# Altium PCB MotherBoard.PcbDoc (part 10 of 10)
Units mm, origin at the board's own origin, x right, y up, seen from the top; angles counter-clockwise.
Board outline 200 x 200 mm, 8 copper layers (Top Layer, Ground, Signal Layer 1, Power, Power 2, Signal Layer 2, Ground 2, Bottom Layer), stack 1.494 mm thick; 819 components, 704 nets, 3400 pads, 2339 vias.
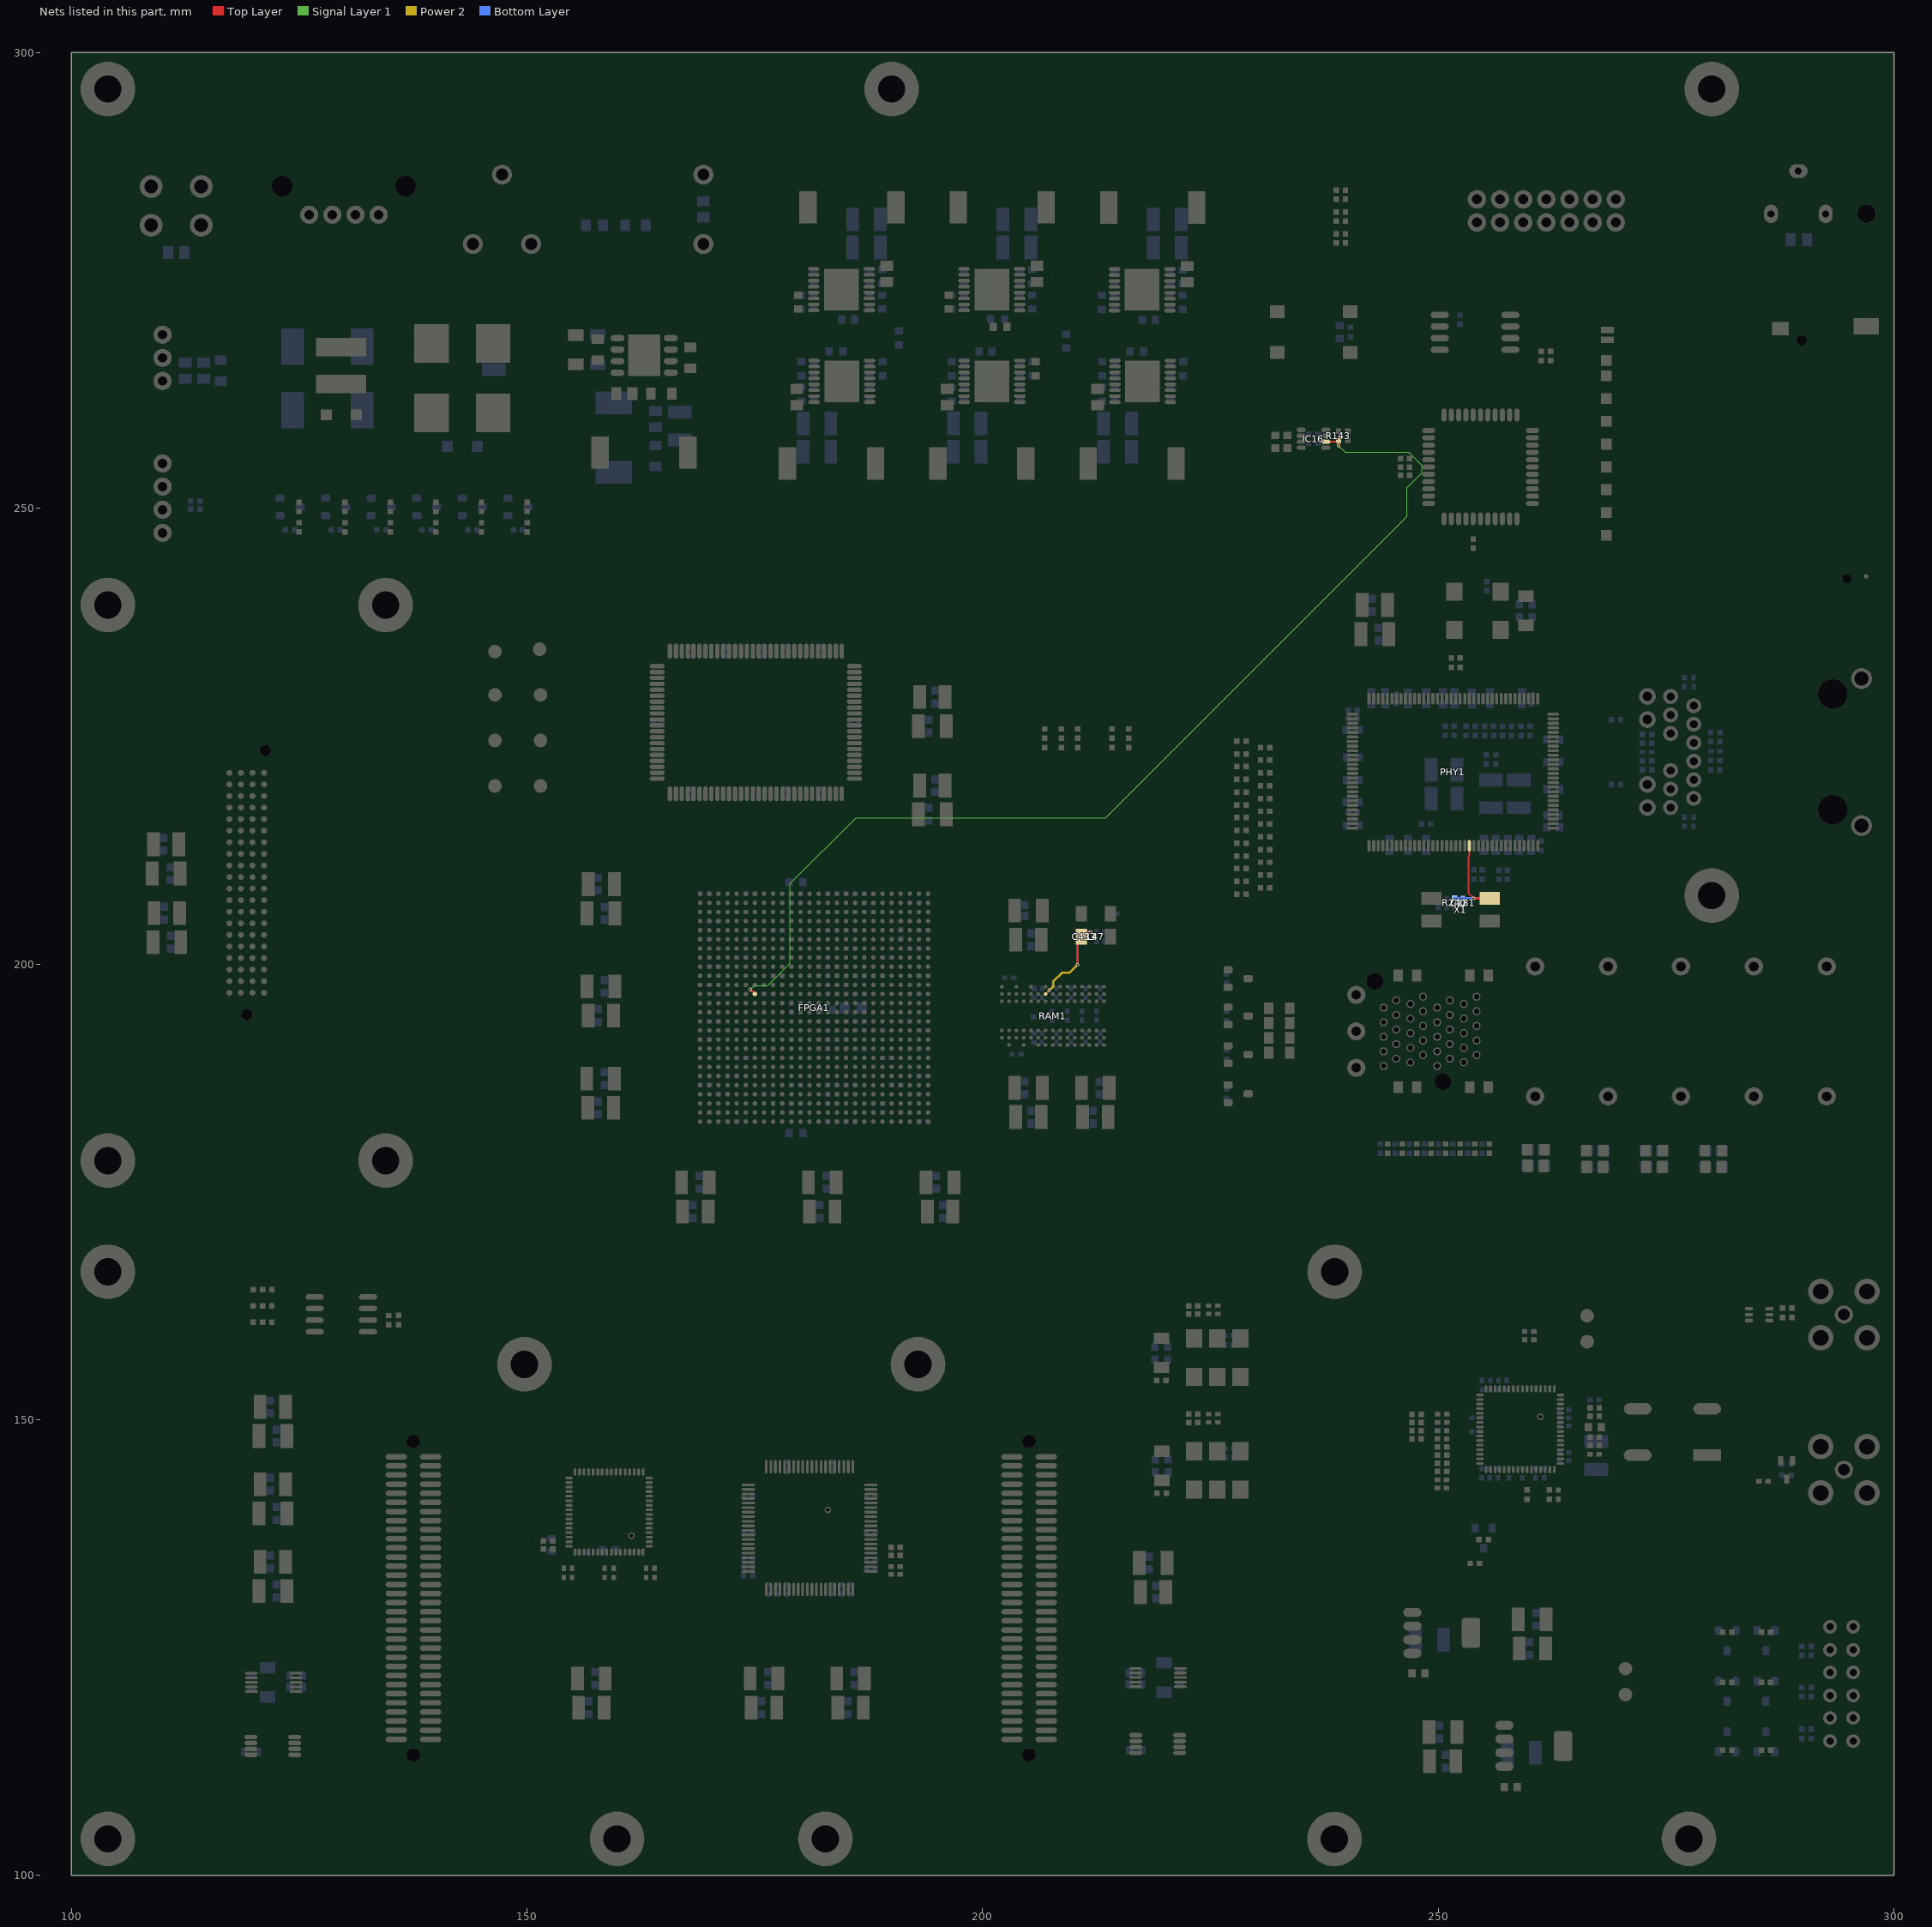
[diagram p16: the nets of this part, all layers, seen from the top]

## Via types
v1: diameter 0.4, hole 0.2, Top Layer to Bottom Layer, tented both sides, 1921 vias
v2: diameter 0.6, hole 0.3, Top Layer to Bottom Layer, tented both sides, 229 vias
v3: diameter 0.7, hole 0.4, Top Layer to Bottom Layer, 128 vias
v4: diameter 0.5, hole 0.2, Top Layer to Bottom Layer, tented both sides, 60 vias
v5: diameter 0.7, hole 0.4, Top Layer to Bottom Layer, tented both sides, 1 vias

## Nets (pads, with @x,y where several pads share a name; then routed paths per layer and width w, separated by ;. In a path a pad name is that pad's centre, name@x,y a point inside that pad or via, vN(x,y) a via of type N, cw(c..) or ccw(c..) an arc to the next point about the centre after c; other vN are vias at no path point) (continued)
VREF0V9: C433.2 L47.1 RAM1.J2 | length 10.3
  Top Layer w0.18: RAM1.J2@206.9,196.7 v1(207.3,197.1)
  Top Layer w0.25: v1(210.4,199.9) 210.4,202.574 L47.1@210.814,202.988 211.314,203.488 v1(211.822,203.488)
  Power 2 w0.25: v1(207.3,197.1) 207.725,197.525 207.725,198.05 208.7,199.025 209.525,199.025 v1(210.4,199.9)
  Bottom Layer w0.35: C433.2@211.161,203.488 v1(211.822,203.488)
WDI: FPGA1.R20 IC16.6 R143.1 | length 117.7
  Top Layer w0.18: IC16.6@237.65,257.3 238.901,257.3 R143.1@239.05,257.449 R143.1@239.05,257.323
  Top Layer w0.25: v1(174.5,197.2) FPGA1.R20@175,196.7 ; v1(239.05,256.882) R143.1@239.05,257.323
  Signal Layer 1 w0.1: v1(174.5,197.2) 174.925,197.625 176.42,197.625 178.85,200.055 178.85,208.8 186.075,216.025 213.475,216.025 246.55,249.1 246.55,252.225 248.2,253.875 248.2,254.675 246.725,256.15 239.782,256.15 v1(239.05,256.882)
XTAL: C181.1 PHY1.87 R240.2 X1.1 | length 9.9
  Top Layer w0.18: PHY1.87@253.4,212.971 253.4,211.85 253.3,211.75 253.3,207.775 v1(253.875,207.2)
  Top Layer w0.25: v1(253.875,207.2) X1.1@255.625,207.2
  Bottom Layer w0.25: R240.2@251.808,207.2 C181.1@252.7,207.2 v1(253.875,207.2)
pads on no net: CPLD1.27 CPLD1.28 CXO3.2 CXO4.2 DC_PWR1.0 FAN1.3 FPGA1.A9 FPGA1.AA2 FPGA1.AA7 FPGA1.AA8 FPGA1.AC8 FPGA1.AC18 FPGA1.AD8 FPGA1.AE7 FPGA1.AE9 FPGA1.AE26 FPGA1.AF7 FPGA1.AF9 FPGA1.B9 FPGA1.C8 FPGA1.C10 FPGA1.D8 FPGA1.D10 FPGA1.E13 FPGA1.F13 FPGA1.F19 FPGA1.F20 FPGA1.G19 FPGA1.J14 FPGA1.J15 FPGA1.J16 FPGA1.K6 FPGA1.K15 FPGA1.K16 FPGA1.K17 FPGA1.K25 FPGA1.K26 FPGA1.L17 FPGA1.L18 FPGA1.M4 FPGA1.M14 FPGA1.M17 FPGA1.M21 FPGA1.M22 FPGA1.M25 FPGA1.M26 FPGA1.N2 FPGA1.N26 FPGA1.P23 FPGA1.P24 FPGA1.R22 FPGA1.R23 FPGA1.T8 FPGA1.T22 FPGA1.T23 FPGA1.T24 FPGA1.T25 FPGA1.V3 FPGA1.V8 FPGA1.V9 FPGA1.W8 FPGA1.W14 FPGA1.W15 FPGA1.W16 FPGA1.Y15 FPGA1.Y16 IC3.2 IC3.3 IC6.2 IC17.7 IC17.9 IC17.15 IC17.18 IC17.19 IC17.20 IC17.24 IC17.25 IC17.26 IC17.33 IC17.34 IC17.35 IC17.36 IC19.2 PHY1.2 PHY1.23 PHY1.24 PHY1.27 PHY1.28 PHY1.31 PHY1.84 RAM1.A2 RAM1.E2 RAM1.R3 RAM1.R7 SRAM1.1 SRAM1.2 SRAM1.3 SRAM1.6 SRAM1.7 SRAM1.10 SRAM1.14 SRAM1.16 SRAM1.25 SRAM1.28 SRAM1.29 SRAM1.30 SRAM1.38 SRAM1.39 SRAM1.42 SRAM1.43 SRAM1.51 SRAM1.52 SRAM1.53 SRAM1.56 SRAM1.57 SRAM1.66 SRAM1.75 SRAM1.78 SRAM1.79 SRAM1.84 SRAM1.95 SRAM1.96 X1.2 X1.4 XC2.0 XC3.0@293.259,216.9 XC3.0@293.259,229.6 XC4.0@137.528,113.22 XC4.0@137.528,147.612 XC4.0@205.092,113.22 XC4.0@205.092,147.612 XC4.24 XC4.26 XC4.28 XC4.39 XC4.40 XC4.55 XC4.58 XC4.87 XC4.89 XC4.91 XC4.103 XC4.104 XC4.120 XC4.121 XC5.12 XC5.14 XC6.0@289.834,268.442 XC6.0@294.838,242.255 XC6.8 XC6.9 XC8.0@119.24,194.405 XC8.0@121.25,223.395 XC9.0@243.02,198.1 XC9.0@246.59,186.475 XC9.0@246.59,198.725 XC9.0@250.52,187.1 XC9.0@254.45,186.475 XC9.0@254.45,198.725

## Polygon pours and split planes (outlines as drawn)
GND on Top Layer "GND_TOP" (solid, remove dead copper, pour order 236): 299.35,299.325 299.35,100.725 100.725,100.725 100.725,299.325
NetIC8_8 on Top Layer "1V0" (solid, pour order 234): 221.423,275.989 213.448,275.989 212.873,276.564 212.873,281.214 212.873,284.764 214.773,284.764 214.773,281.214 215.498,280.489 215.498,278.589 216.273,277.814 220.948,277.814 221.423,277.339
NetIC7_8 on Top Layer "1V0" (solid, pour order 233): 204.923,276.014 196.948,276.014 196.373,276.589 196.373,281.239 196.373,284.789 198.273,284.789 198.273,281.239 198.998,280.514 198.998,278.614 199.773,277.839 204.448,277.839 204.923,277.364
NetIC1_8 on Top Layer "1V0" (solid, pour order 232): 188.423,276.014 180.448,276.014 179.873,276.589 179.873,281.239 179.873,284.789 181.773,284.789 181.773,281.239 182.498,280.514 182.498,278.614 183.273,277.839 187.948,277.839 188.423,277.364
NetIC5_8 on Top Layer "1V0" (solid, pour order 231): 213.625,261.9 221.6,261.9 222.175,261.325 222.175,256.675 222.175,253.125 220.275,253.125 220.275,256.675 219.55,257.4 219.55,259.3 218.775,260.075 214.1,260.075 213.625,260.55
NetIC4_8 on Top Layer "1V0" (solid, pour order 230): 197.125,261.9 205.1,261.9 205.675,261.325 205.675,256.675 205.675,253.125 203.775,253.125 203.775,256.675 203.05,257.4 203.05,259.3 202.275,260.075 197.6,260.075 197.125,260.55
5V on Top Layer "5V0" (solid, pour order 229): 223.148,274.264 221.748,274.264 221.623,274.264 221.235,274.651 219.498,274.651 219.498,275.907 221.423,275.914 221.423,275.664 221.748,275.339 223.148,275.339
5V on Top Layer "5V0" (solid, pour order 228): 206.648,274.289 205.248,274.289 205.123,274.289 204.735,274.677 202.998,274.677 202.998,275.932 204.923,275.939 204.923,275.689 205.248,275.364 206.648,275.364
5V on Top Layer "5V0" (solid, pour order 227): 190.148,274.289 188.748,274.289 188.623,274.289 188.235,274.677 186.498,274.677 186.498,275.932 188.423,275.939 188.423,275.689 188.748,275.364 190.148,275.364
5V on Top Layer "5V0" (solid, pour order 226): 211.9,263.625 213.3,263.625 213.425,263.625 213.813,263.238 215.55,263.238 215.55,261.982 213.625,261.975 213.625,262.225 213.3,262.55 211.9,262.55
5V on Top Layer "5V0" (solid, pour order 225): 195.4,263.625 196.8,263.625 196.925,263.625 197.312,263.238 199.05,263.238 199.05,261.982 197.125,261.975 197.125,262.225 196.8,262.55 195.4,262.55
5V on Top Layer "5V0" (solid, pour order 224): 178.9,263.625 180.3,263.625 180.425,263.625 180.812,263.238 182.55,263.238 182.55,261.982 180.625,261.975 180.625,262.225 180.3,262.55 178.9,262.55
NetIC2_8 on Top Layer "1V0" (solid, pour order 223): 180.625,261.9 188.6,261.9 189.175,261.325 189.175,256.675 189.175,253.125 187.275,253.125 187.275,256.675 186.55,257.4 186.55,259.3 185.775,260.075 181.1,260.075 180.625,260.55
GND on Top Layer "GND" (solid, remove dead copper, pour order 235): 227.5,289.141 227.5,245.5 106,245.5 106,289.141
5V_GPIO on Power "5V_GPIO" (solid, remove dead copper, pour order 265): 111.175,205.65 113.7,205.65 117.325,202.025 119.125,202.025 119.125,195.525 111.175,195.525
3V3_GPIO on Power "3V3_GPIO" (solid, remove dead copper, pour order 264): 111.175,211.525 114.175,211.525 116.7,209 117.15,208.55 119.125,208.55 119.125,202.15 117.35,202.15 113.725,205.775 111.175,205.775
3V3 on Power "3V3" (solid, pour order 280): 158.8,203.875 158.8,238.35 204.375,238.35 204.375,268.5 211.35,268.5 211.35,295.95 104.025,295.95 104.025,203.875
1V0_FPGA on Power "1V0" (solid, remove dead copper, pour order 261): 181.575,201.575 183.775,201.575 183.775,200.525 185.9,200.525 185.9,189.55 182.25,189.55 182.25,193.575 181.125,193.575 181.125,194.65 180.575,195.2 174.253,195.2 173.628,194.575 159.075,194.575 159.075,199.85 162.6,199.85 162.6,196.75 163.575,195.775 173.075,195.775 174.05,196.75 175.997,196.75 176.397,197.15 180.7,197.15 181.575,198.025
DVDD_TX on Power "DVDD_FPGA" (solid, remove dead copper, pour order 272): 200.75,188.5 196.3,188.5 194.312,190.487 189.237,190.487 187.2,192.525 187.2,187.825 186.65,187.825 186.65,186.35 190.3,186.35 190.3,179.275 191.75,177.825 194.925,177.825 194.925,174.15 178.65,174.15 178.65,159.575 169.775,150.7 169.775,139.825 167.75,137.8 167.75,119.969 180.35,119.969 180.35,123.525 175.25,123.525 175.25,131.725 224.075,131.725 224.075,174.175 200.75,174.175
DVDD_RAM on Power "DVDD_RAM" (solid, remove dead copper, pour order 271): 170.2,205.7 175.375,200.525 178.975,200.525 178.975,205.525 178.45,205.525 178.45,208.825 188.225,208.825 188.225,238.1 159,238.1 159,203.887 162.587,203.887 164.4,205.7
MGTAVTT_G11 on Power "MGTAVTT" (solid, remove dead copper, pour order 269): 178.65,174.3 189.275,174.3 189.275,181.675 189.275,185.025 187.225,185.025 187.225,184.175 181.425,184.175 181.425,184.925 178.65,184.925
1V8_FPGA on Power "1V8_DDR" (solid, remove dead copper, pour order 268): 187.225,198.65 193,198.65 195.475,201.125 209.425,201.125 209.425,203.05 216.325,203.05 216.325,184.8 211.55,184.8 211.55,188.6 196.4,188.6 194.35,190.65 189.275,190.65 187.225,192.7
1V8_AUX on Power "1V8_AUX" (solid, remove dead copper, pour order 267): 186.05,200.525 187.075,200.525 187.075,187.95 181.425,187.95 181.425,185.046 178.521,185.046 178.521,181.65 178.521,174.3 168.15,174.3 168.15,177.725 176.075,177.725 177.625,179.275 177.625,186.1 180.65,186.1 180.65,189.425 186.05,189.425
2V5_ETH on Power "2V5_FPGA" (solid, remove dead copper, pour order 266): 190.45,209.7 190.45,205.475 190.175,205.2 187.2,205.2 187.2,198.75 192.95,198.75 195.425,201.225 209.3,201.225 209.3,203.225 257.175,203.225 265.925,203.225 265.925,213.7 257.175,213.7 257.175,215.6 250,215.6 250,223.9 259.95,223.9 259.95,226.825 266.05,226.825 266.05,213.825 282.525,213.825 282.525,233 233.9,233 233.9,227.825 226.775,220.7 204.5,220.7 201.875,218.075 201.875,216.675 198.9,213.7 194.45,213.7
MGTAVCC_G10 on Power "MGTAVCC" (solid, remove dead copper, pour order 263): 181.575,206.1 187.075,206.1 187.075,205.9 189.5,205.9 189.5,216.65 190.825,217.975 201.7,217.975 201.7,216.7 198.85,213.85 194.4,213.85 190.35,209.8 190.35,205.55 190.1,205.3 187.075,205.3 187.075,202.875 181.575,202.875
MGTAVTT_G10 on Power "MGTAVTT" (solid, remove dead copper, pour order 262): 178.575,208.725 188.375,208.725 188.375,238.1 204.375,238.1 204.375,220.825 201.7,218.15 190.85,218.15 189.4,216.7 189.4,206 187.25,206 187.25,206.225 181.425,206.225 181.425,205.625 178.575,205.625
MGTAVCC_G11 on Power "MGTAVCC" (solid, remove dead copper, pour order 270): 181.55,184.3 187.075,184.3 187.075,185.125 189.375,185.125 189.375,174.3 194.8,174.3 194.8,177.7 191.675,177.7 190.2,179.175 190.2,186.225 186.55,186.225 186.55,187.825 181.55,187.825
AVDD_TX on Power "AVDD_TX" (solid, remove dead copper, pour order 273): 175.405,131.525 224.075,131.525 224.075,112.35 211.75,112.35 211.75,119.975 180.475,119.975 180.475,123.65 180.45,123.675 175.405,123.65
DVDD_FPGA on Power "DVDD_FPGA" (solid, remove dead copper, pour order 274): 200.925,174.3 200.925,188.5 211.375,188.492 211.375,184.65 211.415,184.69 216.525,184.69 216.525,203.05 266.05,203.05 266.05,233.125 233.75,233.125 233.75,227.925 226.7,220.875 204.55,220.875 204.55,268.3 211.575,268.3 211.575,295.95 294.5,295.95 294.5,157.65 281.575,157.65 281.575,174.3 243.175,174.3 243.175,103.95 104.025,103.95 104.025,203.705 162.675,203.725 164.5,205.55 170.15,205.55 175.3,200.4 179.1,200.4 179.1,205.55 181.45,205.55 181.45,202.775 187.125,202.775 187.125,200.6 183.85,200.6 183.85,201.65 181.449,201.65 181.441,195.391 181,194.95 181,193.475 182.175,193.475 182.175,189.55 180.5,189.55 180.5,186.2 177.5,186.2 177.5,179.32 176.022,177.842 168.15,177.842 168.15,185.54 172.66,185.54 176.795,189.675 178,189.675 178,190.518 180.95,190.518 180.95,192.175 177.225,192.175 177.225,193.1 176.775,193.55 175.825,193.55 175.375,193.1 175.375,191.925 173.125,189.675 158.975,189.675 158.975,182.144 147.7,182.144 147.7,119.825 224.3,119.825 224.3,174.3
AVDD_ADC on Power "AVDD_ADC" (solid, remove dead copper, pour order 275): 147.925,137.775 167.625,137.775 167.625,119.975 147.925,119.975
1V8_ETH_A on Power "1V8_A" (solid, remove dead copper, pour order 276): 265.925,226.725 265.925,213.825 260.925,213.825 260.925,219.75 250.125,219.75 250.125,223.8 260.05,223.8 260.05,226.725
DVDD_ADC on Power "DVDD_ADC" (solid, remove dead copper, pour order 277): 159.1,182 159.1,189.549 173.153,189.553 175.5,191.9 175.5,193.075 175.875,193.45 176.75,193.45 177.103,193.097 177.125,192.075 180.85,192.075 180.85,190.575 177.9,190.575 177.9,189.75 176.775,189.75 172.65,185.625 168,185.625 168,174.3 168,174.15 178.525,174.15 178.525,159.6 169.625,150.7 169.625,139.884 167.641,137.9 147.925,137.9 147.925,182
2V5_ETH_A on Power "2V5_ETH_A" (solid, remove dead copper, pour order 278): 250.125,219.6 260.825,219.6 260.825,213.825 257.3,213.825 257.3,215.725 250.125,215.725
DVDD_CLK on Power "DVDD_CLK" (solid, remove dead copper, pour order 279): 238.6,174.175 281.3,174.175 281.3,157.475 281.325,157.45 294.5,157.45 294.5,103.95 238.6,103.95
5V on Signal Layer 2 "5V" (solid, remove dead copper, pour order 259): 227.425,289.075 227.425,245.575 106.075,245.575 106.075,289.075
5V on Signal Layer 2 "5V" (solid, remove dead copper, pour order 260): 294.475,295.95 294.475,141.96 297.04,141.96 297.04,103.95 104.025,103.95 104.025,289.249 105.875,289.249 105.875,245.375 227.625,245.375 227.625,289.25 104.015,289.25 104.015,295.985
GND on Bottom Layer "GND" (solid, remove dead copper, pour order 287): 227.499,289.146 227.499,245.505 106,245.505 106,289.146
GND on Bottom Layer "GND_BOTTOM" (solid, remove dead copper, pour order 289): 299.15,299.155 299.15,100.555 100.525,100.555 100.525,299.155
GND_XADC on Ground "GND_XADC" (solid, remove dead copper, pour order 284): 183,192.7 183,196.7 185,196.7 185,192.7
GND on Ground "GND" (solid, remove dead copper, pour order 285): 299.35,299.325 299.35,100.725 100.725,100.725 100.725,299.325
AGND_ADC on Ground "AGND_ADC" (solid, remove dead copper, pour order 281): 142.499,137.875 151.65,137.875 153.675,135.85 167.575,135.85 167.575,119.95 152.925,119.95 152.925,111.425 139.325,111.425 139.325,126.8 142.499,126.8
AGND_TX on Ground "AGND_TX" (solid, remove dead copper, pour order 282): 167.737,137.875 172.725,137.875 176.85,133.75 185.275,133.75 188.225,130.8 192.075,126.95 205.35,126.95 206.925,126.95 210.275,123.6 224.875,123.6 224.875,111.675 224.825,111.625 187.325,111.625 187.325,119.15 186.35,120.125 179.55,120.125 179.55,123.206 167.737,123.206
AGND_RX on Ground "AGND_RX" (solid, remove dead copper, pour order 283): 116.275,132.8 126.175,132.8 132.175,126.8 139.175,126.8 139.175,111.4 116.35,111.4 116.275,111.375
GND on Ground 2 "GND" (solid, remove dead copper, pour order 286): 299.35,299.3 299.35,100.725 100.725,100.725 100.725,299.3
3V3 on Power 2 "3V3" (solid, remove dead copper, pour order 256): 294.474,295.927 294.474,103.927 104.024,103.927 104.024,295.927
SFP2_VCCTX on Power 2 "SFP_VCC" (solid, remove dead copper, pour order 251): 240.995,196.6 244.65,196.6 244.65,187.075 246.575,185.15 260.275,185.15 264.025,181.4 264.025,178.425 257.65,178.425 240.968,178.425
SFP2_VCCRX on Power 2 "SFP_VCC" (solid, remove dead copper, pour order 252): 244.8,196.6 249.05,196.6 249.05,189.975 250.275,188.75 262.95,188.75 270.3,181.4 270.3,178.425 264.125,178.425 264.125,181.45 260.325,185.25 246.65,185.25 244.8,187.1
SFP1_VCCRX on Power 2 "SFP_VCC" (solid, remove dead copper, pour order 253): 249.2,196.6 253.45,196.6 253.45,192.15 254,191.6 260.025,191.6 266.775,191.6 276.975,181.4 276.975,178.425 270.475,178.425 270.475,181.425 263.05,188.85 250.425,188.85 249.2,190.075 249.2,190.15
SFP1_VCCTX on Power 2 "SFP_VCC" (solid, remove dead copper, pour order 254): 253.55,196.6 283.225,196.6 283.225,178.425 277.125,178.425 277.125,181.425 266.775,191.762 266.738,191.725 254.108,191.725 253.55,192.283
2V5 on Power 2 "2V5" (solid, remove dead copper, pour order 248): 187.212,195.35 211.7,195.35 211.7,248.4 202.2,248.4 202.2,268.1 187.212,268.1 187.212,232.925 200.087,232.925 200.087,223.55 187.212,223.55
1V8_ETH on Power 2 "1V8_ETH" (solid, remove dead copper, pour order 250): 237.597,238.225 258.45,238.225 258.45,209.825 237.644,209.825
1V2 on Power 2 "1V2" (solid, remove dead copper, pour order 249): 176.225,170.725 176.225,180.818 174.2,182.843 174.2,214.975 148.65,214.975 148.65,280.475 197.825,280.475 197.825,286.025 211.7,286.025 211.7,268.275 199.925,268.275 187.05,268.275 187.05,232.725 199.925,232.725 199.925,223.7 187.05,223.7 187.05,170.725
SFP+_CLK_VCC on Power 2 "SFPP_CLK" (solid, remove dead copper, pour order 246): 213.623,158.875 229.975,158.875 229.975,121.05 232.825,118.2 250.3,118.2 250.3,110.65 224.15,110.65 224.15,136 223.35,136.8 214.225,136.8 213.648,137.377
5V_TX on Power 2 "5V_TX" (solid, remove dead copper, pour order 245): 197.225,147.625 213.525,147.625 213.525,137.4 214.2,136.725 223.275,136.725 224.05,135.95 224.05,110.65 197.225,110.65
1V8 on Power 2 "1V8" (solid, remove dead copper, pour order 255): 283.25,238.25 283.25,110.625 197.275,110.625 197.275,125.92 166.65,125.92 166.65,112.325 122.125,112.325 122.125,190.9 164.625,190.9 164.625,179.825 167.2,177.25 167.2,161.25 193.975,161.25 208.875,176.15 208.875,195.175 211.85,195.175 211.85,248.5 202.45,248.5 202.45,268.15 258.4,268.15 258.4,238.25
DVDD_RX on Power 2 "DVDD_RX" (solid, remove dead copper, pour order 242): 147.675,143.3 147.675,133.325 122.15,133.325 122.15,143.3
5V_RX on Power 2 "5V_RX" (solid, remove dead copper, pour order 241): 122.15,150.025 147.675,150.025 147.675,143.45 122.15,143.45
DVDD_FPGA on Power 2 "DVDD_FPGA" (solid, remove dead copper, pour order 244): 118.1,167.393 139.923,167.393 139.923,156.568 118.1,156.568
AVDD_RX on Power 2 "AVDD_RX" (solid, remove dead copper, pour order 243): 117.325,133.15 147.675,133.15 147.675,112.35 117.325,112.35
3V3_SFP+_CLK on Power 2 "3V3" (solid, remove dead copper, pour order 239): 262.85,118.2 250.45,118.2 250.45,110.675 262.85,110.675
AVDD_3V3 on Power 2 "3V3" (solid, remove dead copper, pour order 238): 245.85,129.4 262.525,129.4 262.525,121.675 245.85,121.675
1V0 on Signal Layer 1 "1V0" (solid, pour order 258): 294.474,295.927 294.474,103.927 104.024,103.927 104.024,295.927
3V3_MGT on Signal Layer 1 "3V3_MGT" (solid, remove dead copper, pour order 257): 220.875,295.95 294.575,295.95 294.575,174.575 257.375,174.575 257.375,181.975 186.983,181.975 186.769,217.7 212.8,217.7 220.875,225.775

## Keep-outs
Keep-Out Layer:
  the board outline again, w0.5

## Other copper
Top Layer:
  pour cut-out: 115.768,223.34 122.682,223.34 122.682,194.295 115.768,194.295
  pour cut-out: 205.766,222.35 205.766,227.375 217.5,227.375 217.5,222.35
  pour cut-out: 226.55,225.5 232.475,225.5 232.5,225.475 232.5,206.15 226.55,206.15
  pour cut-out: 271.75,232.25 279.45,232.25 cw(c279.45,231.7) 280,231.7 280,214.775 cw(c279.5,214.775) 279.5,214.275 271.875,214.275 cw(c271.875,214.851) 271.299,214.85 271.276,231.775 cw(c271.75,231.776)
  pour cut-out: 168.325,209.225 194.85,209.225 cw(c194.85,208.575) 195.5,208.575 195.5,181.95 cw(c194.775,181.95) 194.775,181.225 168.225,181.225 cw(c168.225,181.95) 167.5,181.95 167.5,208.4 cw(c168.325,208.4)
  pour cut-out: 201.775,198.3 213.65,198.3 cw(c213.65,197.975) 213.975,197.975 213.951,190.573 cw(c213.677,190.574) 213.677,190.3 201.85,190.3 cw(c201.85,190.701) 201.449,190.7 201.44,197.965 cw(c201.775,197.966)
Signal Layer 1:
  pour cut-out: 168.325,209.225 194.85,209.225 cw(c194.85,208.575) 195.5,208.575 195.5,181.95 cw(c194.775,181.95) 194.775,181.225 168.225,181.225 cw(c168.225,181.95) 167.5,181.95 167.5,208.4 cw(c168.325,208.4)
Signal Layer 2:
  pour cut-out: 115.775,223.395 122.69,223.395 122.69,194.35 115.775,194.35
  pour cut-out: 147.475,148.95 193.925,148.95 193.925,128.85 147.475,128.85
  pour cut-out: 240.425,197.15 240.425,188.125 257.35,188.125 257.35,197.15
  pour cut-out: 297.04,164.065 291.96,164.065 291.96,141.96 297.04,141.96
  pour cut-out: 201.775,198.3 213.65,198.3 cw(c213.65,197.975) 213.975,197.975 213.951,190.573 cw(c213.677,190.574) 213.677,190.3 201.85,190.3 cw(c201.85,190.701) 201.449,190.7 201.44,197.965 cw(c201.775,197.966)
  pour cut-out: 163.2,235.225 163.2,217.8 ccw(c163.4,217.8) 163.4,217.6 186.775,217.6 ccw(c186.775,217.825) 187,217.825 187,235.225 ccw(c186.825,235.225) 186.825,235.4 163.375,235.4 ccw(c163.375,235.225)
  pour cut-out: 262.625,228.65 262.625,213.425 cw(c262.125,213.425) 262.125,212.925 240.9,212.925 cw(c240.9,213.4) 240.425,213.4 240.425,228.65 cw(c240.9,228.65) 240.9,229.125 262.15,229.125 cw(c262.15,228.65)
  pour cut-out: 271.75,232.25 279.45,232.25 cw(c279.45,231.7) 280,231.7 280,214.775 cw(c279.5,214.775) 279.5,214.275 271.875,214.275 cw(c271.875,214.851) 271.299,214.85 271.276,231.775 cw(c271.75,231.776)
  pour cut-out: 254.55,153.675 263.45,153.675 cw(c263.45,153.425) 263.7,153.425 263.7,144.5 cw(c263.425,144.5) 263.425,144.225 254.55,144.225 cw(c254.55,144.525) 254.25,144.525 254.25,153.375 cw(c254.55,153.375)
  pour cut-out: 168.325,209.225 194.85,209.225 cw(c194.85,208.575) 195.5,208.575 195.5,181.95 cw(c194.775,181.95) 194.775,181.225 168.225,181.225 cw(c168.225,181.95) 167.5,181.95 167.5,208.4 cw(c168.325,208.4)
Bottom Layer:
  pour cut-out: 115.768,223.34 122.682,223.34 122.682,194.295 115.768,194.295
  pour cut-out: 168.325,209.225 194.85,209.225 cw(c194.85,208.575) 195.5,208.575 195.5,181.95 cw(c194.775,181.95) 194.775,181.225 168.225,181.225 cw(c168.225,181.95) 167.5,181.95 167.5,208.4 cw(c168.325,208.4)
  pour cut-out: 271.75,232.25 279.45,232.25 cw(c279.45,231.7) 280,231.7 280,226.825 282.2,226.825 282.2,220 280,220 280,214.775 cw(c279.5,214.775) 279.5,214.275 271.875,214.275 cw(c271.875,214.851) 271.299,214.85 271.276,231.775 cw(c271.749,231.776)
  pour cut-out: 201.775,198.3 213.65,198.3 cw(c213.65,197.975) 213.975,197.975 213.951,190.573 cw(c213.677,190.574) 213.677,190.3 201.85,190.3 cw(c201.85,190.701) 201.449,190.7 201.44,197.965 cw(c201.775,197.966)

## Silkscreen, mask and mechanical layers (free items; w line width, h text height)
Top Overlay:
  drawing of 2190 lines, arcs and shapes, not listed
  text "CPLD" at 233.292,283.9 h1.02
  text "FPGA" at 241.492,283.9 h1.02
  text "PORT" at 241.492,281.5 h1.02
  text "CPLD" at 233.292,281.4 h1.02
  text "FPGA" at 233.292,279.1 h1.02
  text "PORT" at 241.492,279.1 h1.02
  text "Овчинников Ю.Д. / Коровин Е.А." at 129.9,229.1 h3 r270
  text "M0" at 206.075,227.484 h0.76
  text "M1" at 207.975,227.484 h0.76
  text "M2" at 209.675,227.484 h0.76
  text "DIN" at 214.509,227.484 h0.76 r90
  text "CCLK" at 216.409,227.484 h0.76 r90
  text "VCC" at 202.891,225.411 h0.76
  text "CPLD" at 217.85,225.4 h0.76
  text "GND" at 202.891,223.511 h0.76
  text "FLASH" at 217.85,223.375 h0.76
  text "Reciever / Revision: rev. 1" at 109.475,164.15 h3 r270
  text "A0" at 118.252,163.534 h0.76 r90
  text "A1" at 118.252,161.834 h0.76 r90
  text "A2" at 118.252,159.934 h0.76 r90
  text "VCC" at 120.325,156.75 h0.76 r90
  text "GND" at 122.225,156.75 h0.76 r90
  text "Device / Serial Number" at 109.48,144.325 h3 r270
Bottom Overlay:
  lines w0.178: 177.475,181.7 168,181.7 168,208.7 177.525,208.7 ; 181.5,181.7 195,181.7 195,208.7 181.5,208.7 ; 201.45,198.155 201.45,190.45 202.125,190.45 ; 204.4,198.15 213.95,198.15 213.95,190.45 205.25,190.45 ; 239,215.55 239,211.525 257.825,211.525 ; 239,217.7 239,225.85 ; 239,229.2 239,230.725 244.275,230.725 ; 246.6,230.725 259.15,230.725 ; 261.425,230.725 264.2,230.725 264.2,211.525 262.375,211.525 ; 265.125,146.8 265.125,142.7 252.8,142.7 252.8,155.1 265.125,155.1 265.125,148.975 ; 153.75,134.575 153.75,145.375 164.525,145.375 164.525,134.575 153.75,134.575 ; 163,217.325 187.175,217.325 187.175,235.6 163,235.6 163,217.325 ; 172.925,130.125 172.925,146.55 189.025,146.55 189.025,130.125 172.925,130.125 ; 247.95,152.55 251.75,152.55 251.75,158.075 247.95,158.075 247.95,152.55 ; 249.2,147.175 251.6,147.175 251.6,151.3 249.2,151.3 249.2,147.175 ; 249.95,224.3 260.85,224.3 260.85,226.85 249.95,226.85 249.95,224.3 ; 262.25,232.125 262.25,235.725 275.425,235.725 275.425,232.125 262.25,232.125

## Text inside footprints (layer, text, board x,y; h text height)
CXO2: Top Overlay "1" at 256.75,242.65 h0.76
CXO3: Top Overlay "1" at 222.8,152.275 h0.76
CXO4: Top Overlay "1" at 222.8,139.9 h0.76
DC_PWR1: Top Overlay "+" at 283,285.5 h0.76 r270; Top Overlay "-" at 283,279.5 h0.76 r270
FAN1: Top Overlay "GND" at 113.6,263.4 h1.02; Top Overlay "+5V" at 113.6,266 h1.02; Top Overlay "NC" at 113.6,268.5 h1.02
XC1: Top Overlay "GND" at 107.7,276.2 h0.76; Top Overlay "VCC" at 113.3,276.2 h0.76
XC4: Top Overlay "RX" at 135.275,149.575 h1.02; Top Overlay "TX" at 202.75,149.575 h1.02; Top Overlay "1" at 133.136,145.7 h0.76; Top Overlay "2" at 141.662,145.7 h0.76; Top Overlay "63" at 132.875,114.675 h0.76; Top Overlay "64" at 141.475,114.675 h0.76; Top Overlay "1" at 200.3,145.6 h1.02; Top Overlay "2" at 209.375,145.6 h1.02; Top Overlay "63" at 200.069,114.6 h0.76; Top Overlay "64" at 209.242,114.7 h0.76
XC7: Top Overlay "GND" at 112.809,246.909 h0.76; Top Overlay "TXD" at 112.809,249.449 h0.76; Top Overlay "RXD" at 112.809,251.989 h0.76; Top Overlay "VDD" at 112.809,254.529 h0.76
XC8: Top Overlay "20" at 123.9,196.5 h0.76; Top Overlay "80" at 113.2,196.5 h0.76; Top Overlay "1" at 124,220.7 h0.76; Top Overlay "60" at 113.2,220.7 h0.76